# Altium PCB MAIN_BOARD_V2.PcbDoc (part 2 of 4)
Units mm, origin at the board's own origin, x right, y up, seen from the top; angles counter-clockwise.
Board outline 125 x 110 mm, 4 copper layers (Top Layer, Mid Layer 1, Mid Layer 2, Bottom Layer), stack 1.586 mm thick; 405 components, 359 nets, 1766 pads, 153 vias.
Unrouted connection lines stored in the file: 817.
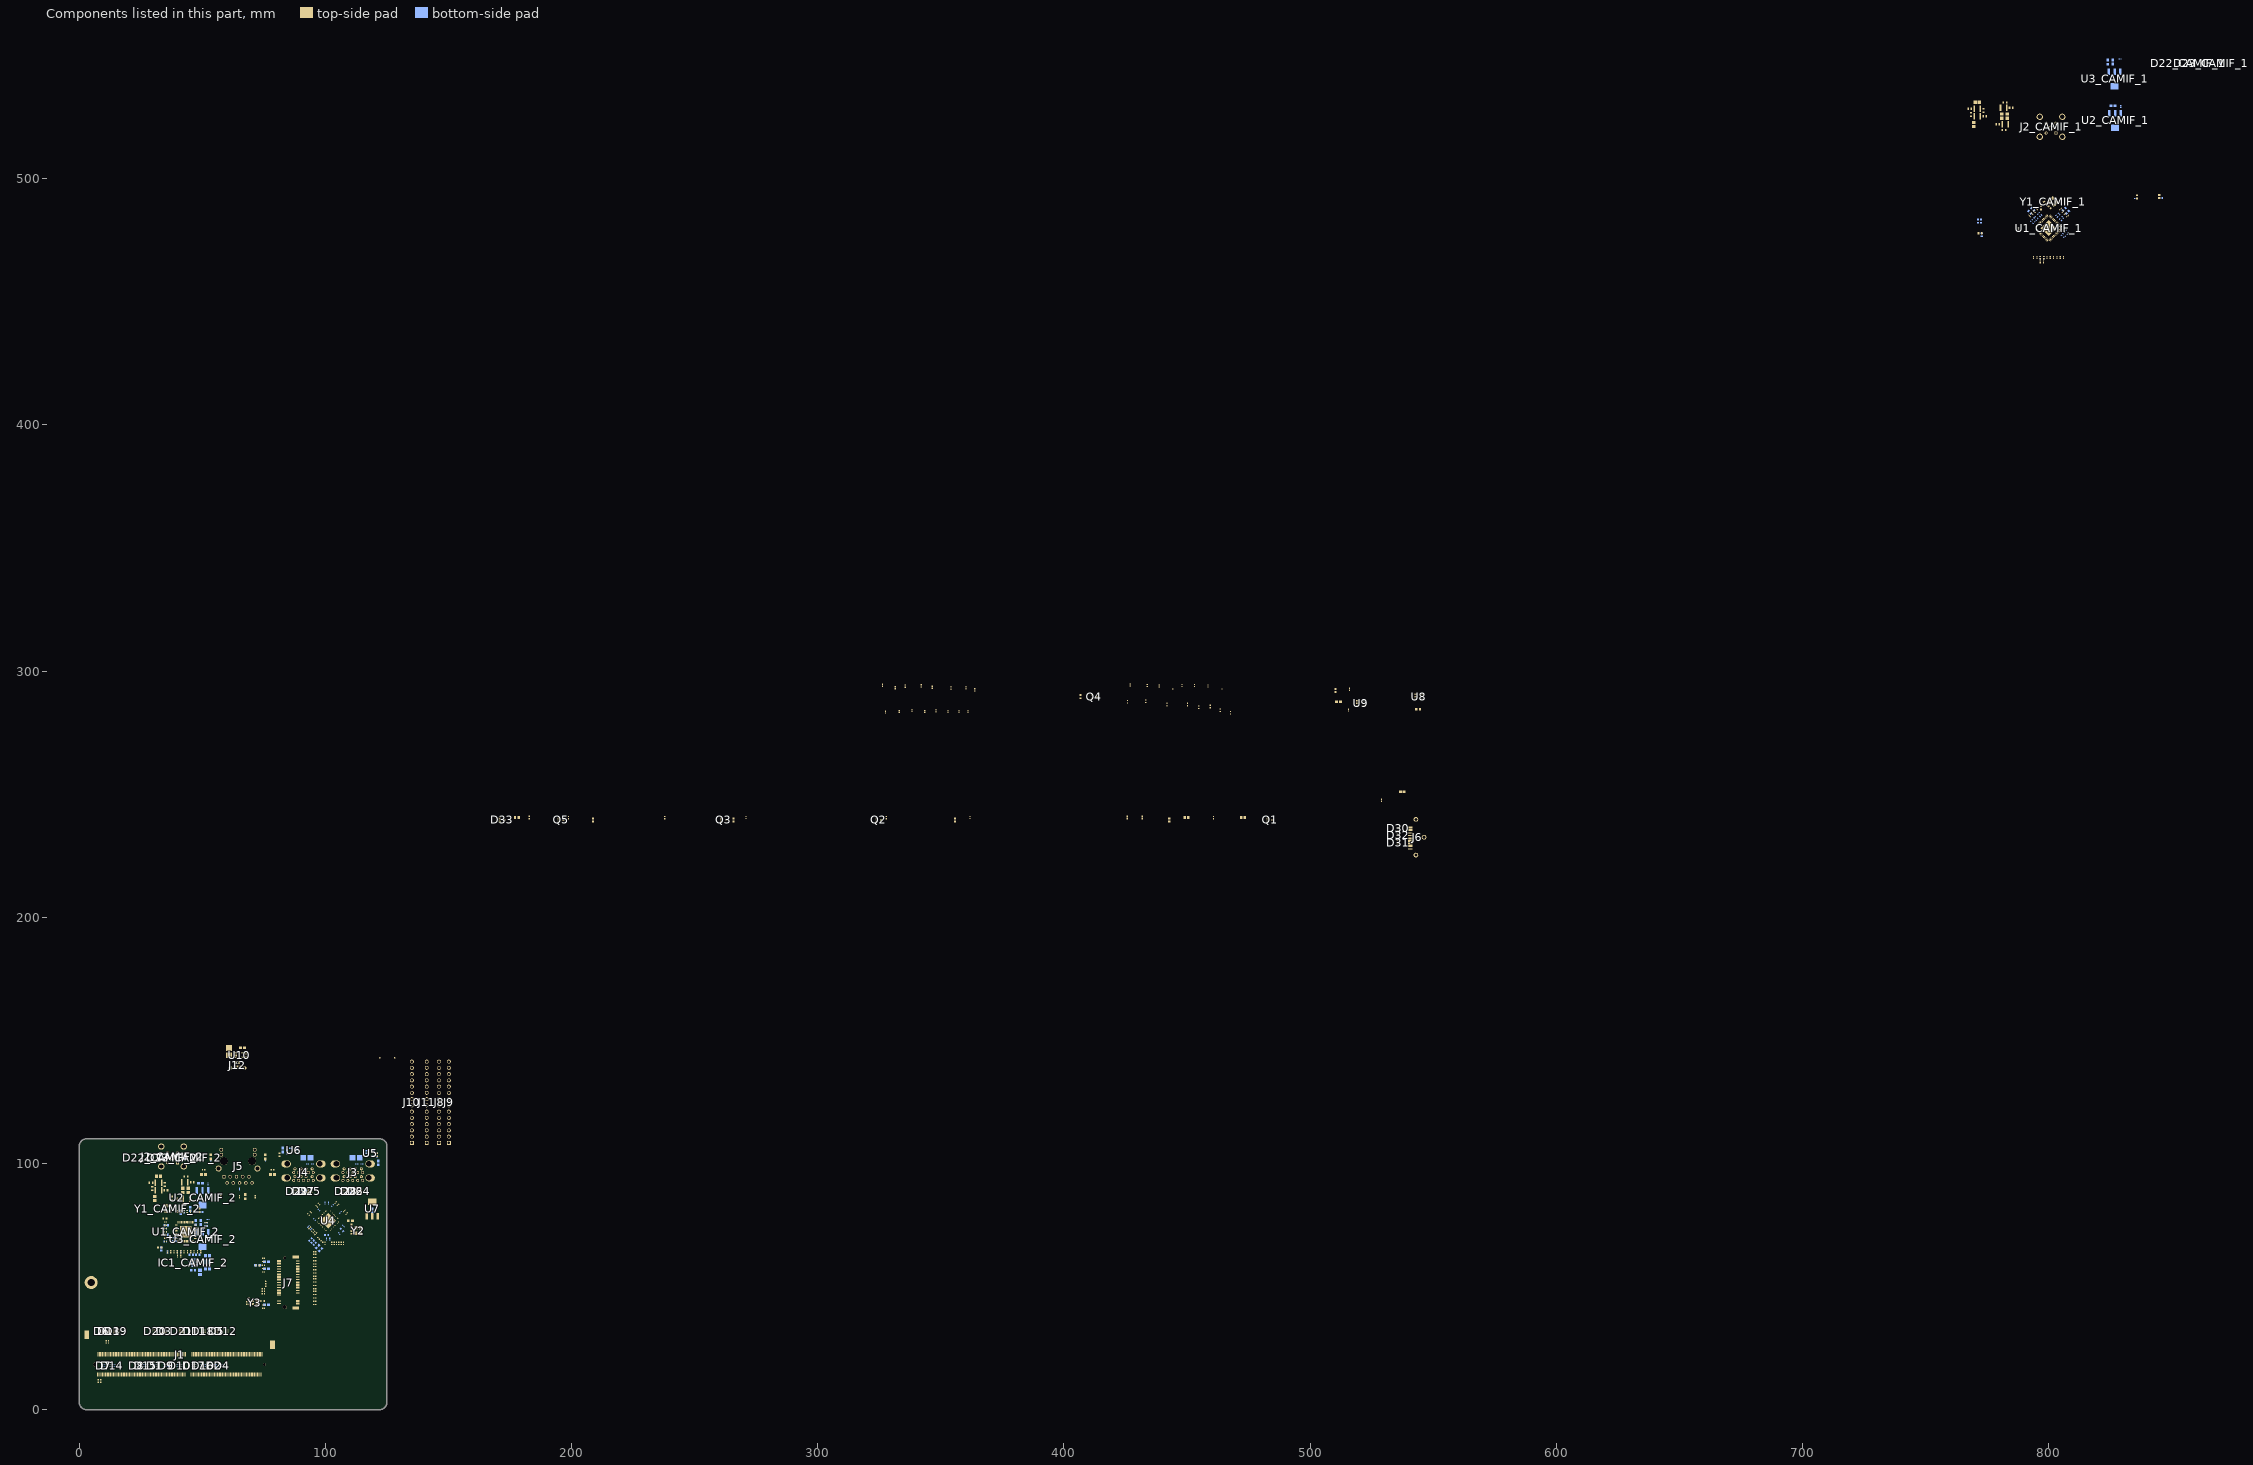
[diagram p4: the components of this part, seen from the top]

## Components (designator, comment, footprint, x,y, rotation, side; value= is the part's Value field where it differs from the comment) (continued)
U9 "AP2171WG-7" SOT95P285X130-5N 520.595,286.925 r0 top
U10 "AP2171WG-7" SOT95P285X130-5N 65.025,144.048 r0 top
Y1_CAMIF_1 "ABM8G-25.000MHZ-18-D2Y-T" FP-ABM8G-MFG 801.875,490.7 r135 top (schematic designator Y1)
Y1_CAMIF_2 "ABM8G-25.000MHZ-18-D2Y-T" FP-ABM8G-MFG 36.05,81.675 r90 top (schematic designator Y1)
Y2 "ABM8G-25.000MHZ-18-D2Y-T" FP-ABM8G-MFG 113.325,72.75 r270 top
Y3 "ASDK-32.768KHZ-LRT" FP-ASDK-MFG 71.337,43.512 r0 top

## Footprints (in the part's own frame and the unit in brackets; to place one, negate y for a bottom-side part, rotate by r counter-clockwise, add the part's x,y. Pads: shape width x height; smd on the part's side, far side on the other; paste and mask are expansions set on the pad)
9774025243 [mm] "SMT Steel Spacer with internal Thread M2, height 2.5mm"
  round 5.3 / inner round 0 / far side round 0 hole 3 unplated: 1(0,0)
  body extent -2.17,-2.17 2.18,2.17, height 2.5
692141030100 [mm] "USB 3.0 Type A Stacked"
  round 1.2 hole 0.7: A1(-3.5,3.93) A2(-1,3.93) A3(1,3.93) A4(3.5,3.93) A5(4,5.43) A6(2,5.43) A7(0,5.43) A8(-2,5.43) A9(-4,5.43) B1(-3.5,7.13) B2(-1,7.13) B3(1,7.13) B4(3.5,7.13) B5(4,8.63) B6(2,8.63) B7(0,8.63) B8(-2,8.63) B9(-4,8.63)
  oval 3.85x2.9 hole 2.3 copper offset -0.475,0: Shell(-6.57,7.61) Shell(-6.57,1.93)
  oval 3.85x2.9 hole 2.3 copper offset 0.475,0: Shell(6.57,7.61) Shell(6.57,1.93)
  silkscreen extent -7.15,-9.85 7.15,9.85, body extent -7.79,-9.85 7.79,9.85, height 16.16
CAPC1005X60X30NL05T10 [mm] "Chip Capacitor, 2-Leads, Body 1.00x0.50mm, IPC Medium Density"
  rect 0.66x0.62 smd: 1(-0.43,0) 2(0.43,0)
  body extent -0.53,-0.28 0.53,0.27, height 0.6
DIOD-SOT323-3_V [mm] "SOT323, 3-Leads, Body 2.2x1.35mm, Pitch 0.65mm"
  rect 0.9x0.7 smd: 1(-0.95,0.65) 2(-0.95,-0.65) 3(0.95,0)
  silkscreen extent -1.07,-1.1 0.67,1.67, body extent -1.1,-1.1 1.1,1.1, height 1.07
FM4-NZRP-PCB-1-Footprint-1 [mm]
  rect 1.2x1.2 hole 0.7: 1(-2,-2)
  round 1.2 hole 0.7: 2(2,-2) 3(2,2) 4(-2,2)
  round 2.1 hole 1.4: MH1(0,0)
  round 2.55 hole 1.7: MH2(-3.5,-4.575) MH3(4.6,-4.575) MH4(4.6,4.575) MH5(-3.5,4.575)
  silkscreen extent -5.9,-6.5 17.25,6.5, body extent -4.76,-5.84 17.8,6.14, height 15.63
FP-1-2199230-6-MFG [mm]
  rect 0.3x1.55 smd paste+0 mask+0: 1(-9.25,3.9) 2(-9,-3.65) 3(-8.75,3.9) 4(-8.5,-3.65) 5(-8.25,3.9) 6(-8,-3.65) 7(-7.75,3.9) 8(-7.5,-3.65) 9(-7.25,3.9) 10(-7,-3.65) 11(-6.75,3.9) 12(-6.5,-3.65) 13(-6.25,3.9) 14(-6,-3.65) 15(-5.75,3.9) 16(-5.5,-3.65) 17(-5.25,3.9) 18(-5,-3.65) 19(-4.75,3.9) 20(-4.5,-3.65) 21(-4.25,3.9) 22(-4,-3.65) 23(-3.75,3.9) 24(-3.5,-3.65) 25(-3.25,3.9) 26(-3,-3.65) 27(-2.75,3.9) 28(-2.5,-3.65) 29(-2.25,3.9) 30(-2,-3.65) 31(-1.75,3.9) 32(-1.5,-3.65) 33(-1.25,3.9) 34(-1,-3.65) 35(-0.75,3.9) 36(-0.5,-3.65) 37(-0.25,3.9) 38(0,-3.65) 39(0.25,3.9) 40(0.5,-3.65) 41(0.75,3.9) 42(1,-3.65) 43(1.25,3.9) 44(1.5,-3.65) 45(1.75,3.9) 46(2,-3.65) 47(2.25,3.9) 48(2.5,-3.65) 49(2.75,3.9) 50(3,-3.65) 51(3.25,3.9) 52(3.5,-3.65) 53(3.75,3.9) 54(4,-3.65) 55(4.25,3.9) 56(4.5,-3.65) 57(4.75,3.9) 58(5,-3.65) 67(7.25,3.9) 68(7.5,-3.65) 69(7.75,3.9) 70(8,-3.65) 71(8.25,3.9) 72(8.5,-3.65) 73(8.75,3.9) 74(9,-3.65) 75(9.25,3.9)
  rect 1.2x2.75 smd paste+0 mask+0: 76(-10.35,3.125) 77(10.35,3.125)
  round 1.1 hole 1.1 unplated paste-2539.97 mask+0: ""(-10,-1.375)
  round 1.6 hole 1.6 unplated paste-2539.97 mask+0: ""(10,-1.375)
  silkscreen extent -11,-3.98 11,5.35, body extent -11.1,-4.52 11.1,4.77, height 0.25
FP-22-28-4146-MFG [mm]
  rect 1.57x1.57 hole 1.02 paste-2539.97 mask+0: 1(-16.51,0)
  round 1.57 hole 1.02 paste-2539.97 mask+0: 2(-13.97,0) 3(-11.43,0) 4(-8.89,0) 5(-6.35,0) 6(-3.81,0) 7(-1.27,0) 8(1.27,0) 9(3.81,0) 10(6.35,0) 11(8.89,0) 12(11.43,0) 13(13.97,0) 14(16.51,0)
  silkscreen extent -18.63,-1.37 17.91,1.37, body extent -18.01,-1.47 18.01,1.47, height 0.25
FP-1210POC-MFG [mm]
  rect 0.65x2.65 smd paste+0 mask+0: 1(-1.27,0) 2(1.27,0)
  silkscreen extent -0.57,-1.34 0.57,1.34, body extent -1.75,-1.44 1.75,1.44, height 0.25
FP-47659-1102-MFG [mm]
  rect 0.3x1.8 smd paste+0 mask+0: 1(4.21,3.08) 2(3.71,3.08) 3(3.21,3.08) 4(2.71,3.08) 5(2.21,3.08) 6(1.71,3.08) 7(1.21,3.08) 8(0.71,3.08) 9(0.21,3.08) 10(-0.29,3.08) 11(-0.79,3.08) 12(-1.29,3.08) 13(-1.79,3.08) 14(-2.29,3.08) 15(-2.79,3.08) 16(-3.29,3.08) 17(-3.79,3.08) 18(-4.29,3.08) 19(-4.79,3.08)
  round 1.9 hole 1.3 paste-2539.97 mask+0: 20(-7.25,0.78) 21(7.25,0.78) 22(0,-2.52)
  silkscreen extent -7.63,-2.9 7.63,4.68, body extent -8.3,-3.57 8.3,4.08, height 0.25
FP-2309413-1-MFG [mm]
  rect 0.3x1.75 smd paste+0 mask+0: 1(33.375,12.1) 2(33.125,3.9) 3(32.875,12.1) 4(32.625,3.9) 5(32.375,12.1) 6(32.125,3.9) 7(31.875,12.1) 8(31.625,3.9) 9(31.375,12.1) 10(31.125,3.9) 11(30.875,12.1) 12(30.625,3.9) 13(30.375,12.1) 14(30.125,3.9) 15(29.875,12.1) 16(29.625,3.9) 17(29.375,12.1) 18(29.125,3.9) 19(28.875,12.1) 20(28.625,3.9) 21(28.375,12.1) 22(28.125,3.9) 23(27.875,12.1) 24(27.625,3.9) 25(27.375,12.1) 26(27.125,3.9) 27(26.875,12.1) 28(26.625,3.9) 29(26.375,12.1) 30(26.125,3.9) 31(25.875,12.1) 32(25.625,3.9) 33(25.375,12.1) 34(25.125,3.9) 35(24.875,12.1) 36(24.625,3.9) 37(24.375,12.1) 38(24.125,3.9) 39(23.875,12.1) 40(23.625,3.9) 41(23.375,12.1) 42(23.125,3.9) 43(22.875,12.1) 44(22.625,3.9) 45(22.375,12.1) 46(22.125,3.9) 47(21.875,12.1) 48(21.625,3.9) 49(21.375,12.1) 50(21.125,3.9) 51(20.875,12.1) 52(20.625,3.9) 53(20.375,12.1) 54(20.125,3.9) 55(19.875,12.1) 56(19.625,3.9) 57(19.375,12.1) 58(19.125,3.9) 59(18.875,12.1) 60(18.625,3.9) 61(18.375,12.1) 62(18.125,3.9) 63(17.875,12.1) 64(17.625,3.9) 65(17.375,12.1) 66(17.125,3.9) 67(16.875,12.1) 68(16.625,3.9) 69(16.375,12.1) 70(16.125,3.9) 71(15.875,12.1) 72(15.625,3.9) 73(15.375,12.1) 74(15.125,3.9) 75(14.875,12.1) 76(14.625,3.9) 77(14.375,12.1) 78(14.125,3.9) 79(13.875,12.1) 80(13.625,3.9) 81(13.375,12.1) 82(13.125,3.9) 83(12.875,12.1) 84(12.625,3.9) 85(12.375,12.1) 86(12.125,3.9) 87(11.875,12.1) 88(11.625,3.9) 89(11.375,12.1) 90(11.125,3.9) 91(10.875,12.1) 92(10.625,3.9) 93(10.375,12.1) 94(10.125,3.9) 95(9.875,12.1) 96(9.625,3.9) 97(9.375,12.1) 98(9.125,3.9) 99(8.875,12.1) 100(8.625,3.9) 101(8.375,12.1) 102(8.125,3.9) 103(7.875,12.1) 104(7.625,3.9) 105(7.375,12.1) 106(7.125,3.9) 107(6.875,12.1) 108(6.625,3.9) 109(6.375,12.1) 110(6.125,3.9) 111(5.875,12.1) 112(5.625,3.9) 113(5.375,12.1) 114(5.125,3.9) 115(4.875,12.1) 116(4.625,3.9) 117(4.375,12.1) 118(4.125,3.9) 119(3.875,12.1) 120(3.625,3.9) 121(3.375,12.1) 122(3.125,3.9) 123(2.875,12.1) 124(2.625,3.9) 125(2.375,12.1) 126(2.125,3.9) 127(1.875,12.1) 128(1.625,3.9) 129(1.375,12.1) 130(1.125,3.9) 131(0.875,12.1) 132(0.625,3.9) 133(0.375,12.1) 134(0.125,3.9) 135(-0.125,12.1) 136(-0.375,3.9) 137(-0.625,12.1) 138(-0.875,3.9) 139(-1.125,12.1) 140(-1.375,3.9) 141(-1.625,12.1) 142(-1.875,3.9) 143(-2.125,12.1) 144(-2.375,3.9) 145(-4.625,12.1) 146(-4.875,3.9) 147(-5.125,12.1) 148(-5.375,3.9) 149(-5.625,12.1) 150(-5.875,3.9) 151(-6.125,12.1) 152(-6.375,3.9) 153(-6.625,12.1) 154(-6.875,3.9) 155(-7.125,12.1) 156(-7.375,3.9) 157(-7.625,12.1) 158(-7.875,3.9) 159(-8.125,12.1) 160(-8.375,3.9) 161(-8.625,12.1) 162(-8.875,3.9) 163(-9.125,12.1) 164(-9.375,3.9) 165(-9.625,12.1) 166(-9.875,3.9) 167(-10.125,12.1) 168(-10.375,3.9) 169(-10.625,12.1) 170(-10.875,3.9) 171(-11.125,12.1) 172(-11.375,3.9) 173(-11.625,12.1) 174(-11.875,3.9) 175(-12.125,12.1) 176(-12.375,3.9) 177(-12.625,12.1) 178(-12.875,3.9) 179(-13.125,12.1) 180(-13.375,3.9) 181(-13.625,12.1) 182(-13.875,3.9) 183(-14.125,12.1) 184(-14.375,3.9) 185(-14.625,12.1) 186(-14.875,3.9) 187(-15.125,12.1) 188(-15.375,3.9) 189(-15.625,12.1) 190(-15.875,3.9) 191(-16.125,12.1) 192(-16.375,3.9) 193(-16.625,12.1) 194(-16.875,3.9) 195(-17.125,12.1) 196(-17.375,3.9) 197(-17.625,12.1) 198(-17.875,3.9) 199(-18.125,12.1) 200(-18.375,3.9) 201(-18.625,12.1) 202(-18.875,3.9) 203(-19.125,12.1) 204(-19.375,3.9) 205(-19.625,12.1) 206(-19.875,3.9) 207(-20.125,12.1) 208(-20.375,3.9) 209(-20.625,12.1) 210(-20.875,3.9) 211(-21.125,12.1) 212(-21.375,3.9) 213(-21.625,12.1) 214(-21.875,3.9) 215(-22.125,12.1) 216(-22.375,3.9) 217(-22.625,12.1) 218(-22.875,3.9) 219(-23.125,12.1) 220(-23.375,3.9) 221(-23.625,12.1) 222(-23.875,3.9) 223(-24.125,12.1) 224(-24.375,3.9) 225(-24.625,12.1) 226(-24.875,3.9) 227(-25.125,12.1) 228(-25.375,3.9) 229(-25.625,12.1) 230(-25.875,3.9) 231(-26.125,12.1) 232(-26.375,3.9) 233(-26.625,12.1) 234(-26.875,3.9) 235(-27.125,12.1) 236(-27.375,3.9) 237(-27.625,12.1) 238(-27.875,3.9) 239(-28.125,12.1) 240(-28.375,3.9) 241(-28.625,12.1) 242(-28.875,3.9) 243(-29.125,12.1) 244(-29.375,3.9) 245(-29.625,12.1) 246(-29.875,3.9) 247(-30.125,12.1) 248(-30.375,3.9) 249(-30.625,12.1) 250(-30.875,3.9) 251(-31.125,12.1) 252(-31.375,3.9) 253(-31.625,12.1) 254(-31.875,3.9) 255(-32.125,12.1) 256(-32.375,3.9) 257(-32.625,12.1) 258(-32.875,3.9) 259(-33.125,12.1) 260(-33.375,3.9)
  rect 2x3.5 smd paste+0 mask+0: 261(-37.75,0) 262(37.75,-4)
  round 1.1 hole 1.1 unplated paste-2539.97 mask+0: ""(-34.4,8)
  round 1.6 hole 1.6 unplated paste-2539.97 mask+0: ""(34.4,8)
  silkscreen extent -38.18,-13.1 40.12,13.1, body extent -39.1,-13.2 39.1,13.2, height 0.25
FP-ABM8G-MFG [mm]
  rect 1.4x1.2 smd paste+0 mask+0: 1(-1.1,-0.85) 2(1.1,-0.85) 3(1.1,0.85) 4(-1.1,0.85)
  silkscreen extent -2.47,-1.82 1.6,1.82, body extent -1.9,-1.55 1.9,1.55, height 0.25
FP-ARJM11C7-502-AB-ER2-T-MFG [mm]
  rect 1.39x1.39 hole 0.89 paste-2539.97 mask+0: 1(5.715,6.5)
  round 1.39 hole 0.89 paste-2539.97 mask+0: 2(4.445,9.04) 3(3.175,6.5) 4(1.905,9.04) 5(0.635,6.5) 6(-0.635,9.04) 7(-1.905,6.5) 8(-3.175,9.04) 9(-4.445,6.5) 10(-5.715,9.04)
  round 2.42 hole 1.57 paste-2539.97 mask+0: 11(-7.875,3.2) 12(7.875,3.2)
  round 1.57 hole 1.02 paste-2539.97 mask+0: L1(-6.8,-2.4) L2(-6.8,-4.43) L3(6.8,-2.4) L4(6.8,-4.43)
  round 3.25 hole 3.25 unplated paste-2539.97 mask+0: ""(-5.715,0.15) ""(5.715,0.15)
  silkscreen extent -9.82,-10.78 11.15,10.78, body extent -9.92,-10.87 9.92,10.87, height 0.25
FP-ASDK-MFG [mm]
  rect 1x0.9 smd paste+0 mask+0: 1(-0.813,-0.613) 2(0.813,-0.613) 3(0.813,0.613) 4(-0.813,0.613)
  silkscreen extent -1.7,-1.76 1.7,1.05, body extent -1.41,-1.16 1.41,1.16, height 0.25
FP-BLM15-0_05-MFG [mm]
  rect 0.4x0.5 smd paste+0 mask+0: 1(-0.4,0) 2(0.4,0)
  silkscreen extent -0.53,-0.63 0.52,0.63, body extent -0.7,-0.38 0.7,0.38, height 0.25
FP-C0402-BB-MFG [mm]
  rect 0.52x0.52 smd paste+0 mask+0: 1(-0.4,0) 2(0.4,0)
  silkscreen extent -0.5,-0.64 0.5,0.64, body extent -0.5,-0.25 0.5,0.25, height 0.55
FP-C0603C-CF-MFG [mm]
  rect 0.75x0.9 smd paste+0 mask+0: 1(-0.6,0) 2(0.6,0)
  silkscreen extent -0.87,-0.85 0.88,0.85, body extent -0.8,-0.4 0.8,0.4, height 0.87
FP-C1005-050-0_05-IPC_C [mm]
  rect 0.539x0.472 smd paste+0 mask+0: 1(-0.367,0) 2(0.367,0)
  silkscreen extent -0.64,-0.67 0.64,0.67, body extent -0.74,-0.38 0.74,0.38, height 0.25
FP-CL05A106MP5NUNC-MFG [mm]
  rect 0.45x0.675 smd paste+0 mask+0: 1(-0.463,0) 2(0.463,0)
  silkscreen extent -0.6,-0.63 0.6,0.63, body extent -0.5,-0.25 0.5,0.25, height 0.7
FP-DFE252012C-IPC_C [mm]
  rect 1.155x2.106 smd paste+0 mask+0: 1(-0.926,0) 2(0.926,0)
  silkscreen extent -1.5,-1.5 1.5,1.5, body extent -1.25,-1 1.25,1, height 1.2
FP-DQA0010A-MFG [mm]
  rrect50% 0.565x0.2 smd paste+0 mask+0: 1(-0.417,1) 2(-0.417,0.5) 4(-0.417,-0.5) 5(-0.417,-1) 6(0.417,-1) 7(0.417,-0.5) 9(0.417,0.5) 10(0.417,1)
  rrect25% 0.565x0.4 smd paste-1000 mask+0: 3(-0.417,0) 8(0.417,0)
  silkscreen extent -1.37,-1.48 0.55,1.48, body extent -0.5,-1.25 0.5,1.25, height 0.55
FP-ERJ2RK-MFG [mm]
  rect 0.475x0.5 smd paste+0 mask+0: 1(-0.513,0) 2(0.513,0)
  silkscreen extent -0.53,-0.63 0.53,0.63, body extent -0.85,-0.38 0.85,0.38, height 0.25
FP-ERJ3EK-IPC_B [mm]
  rect 0.957x0.962 smd paste+0 mask+0: 1(-0.751,0) 2(0.751,0)
  silkscreen extent -1.23,-0.88 1.23,0.88, body extent -0.8,-0.4 0.8,0.4, height 0.55
FP-ERJ3EK-MFG [mm]
  rect 0.65x0.9 smd paste+0 mask+0: 1(-0.725,0) 2(0.725,0)
  silkscreen extent 0,-0.48 0,0.48, body extent -1.15,-0.58 1.15,0.58, height 0.25
FP-GRM21B-0_2-e0_2_0_7-IPC_B [mm]
  rect 1.255x1.456 smd paste+0 mask+0: 1(-0.826,0) 2(0.826,0)
  silkscreen extent -1.45,-1.13 1.45,1.13, body extent -1,-0.63 1,0.63, height 1.45
FP-GRM155-0_05-MFG [mm]
  rect 0.55x0.5 smd paste+0 mask+0: 1(-0.475,0) 2(0.475,0)
  silkscreen extent -0.5,-0.65 0.5,0.65, body extent -0.85,-0.38 0.85,0.38, height 0.25
FP-GRM188-0_1-e0_2_0_55-IPC_A [mm]
  rect 1.208x1.012 smd paste+0 mask+0: 1(-0.802,0) 2(0.802,0)
  silkscreen extent -1.41,-0.91 1.41,0.91, body extent -0.8,-0.4 0.8,0.4, height 0.9
FP-PFL1609-MFG [mm]
  rect 0.64x1.02 smd paste+0 mask+0: 1(-0.635,0) 2(0.635,0)
  silkscreen extent -0.9,-0.89 0.9,0.89, body extent -1.05,-0.64 1.05,0.64, height 0.25
FP-USB5744-2G-MFG [mm]
  round 0.202 smd paste+0 mask+0: 1(-3.412,2.6) 2(-3.412,2.2) 3(-3.412,1.8) 4(-3.412,1.4) 5(-3.412,1) 6(-3.412,0.6) 7(-3.412,0.2) 8(-3.4,-0.2) 9(-3.4,-0.6) 10(-3.4,-1) 11(-3.4,-1.4) 12(-3.4,-1.8) 13(-3.4,-2.2) 14(-3.4,-2.6) 15(-2.6,-3.412) 16(-2.2,-3.412) 17(-1.8,-3.412) 18(-1.4,-3.412) 19(-1,-3.412) 20(-0.6,-3.412) 21(-0.2,-3.412) 22(0.2,-3.4) 23(0.6,-3.4) 24(1,-3.4) 25(1.4,-3.4) 26(1.8,-3.4) 27(2.2,-3.4) 28(2.6,-3.4) 29(3.412,-2.6) 30(3.412,-2.2) 31(3.412,-1.8) 32(3.412,-1.4) 33(3.412,-1) 34(3.412,-0.6) 35(3.412,-0.2) 36(3.4,0.2) 37(3.4,0.6) 38(3.4,1) 39(3.4,1.4) 40(3.4,1.8) 41(3.4,2.2) 42(3.4,2.6) 43(2.6,3.412) 44(2.2,3.412) 45(1.8,3.412) 46(1.4,3.412) 47(1,3.412) 48(0.6,3.412) 49(0.2,3.412) 50(-0.2,3.4) 51(-0.6,3.4) 52(-1,3.4) 53(-1.4,3.4) 54(-1.8,3.4) 55(-2.2,3.4) 56(-2.6,3.4)
  rect 4.6x4.6 smd paste+0 mask+0: 57(0,0)
  Top Layer region: -3.775,2.712 -3.137,2.712 -3.094,2.704 -3.058,2.68 -3.034,2.643 -3.025,2.6 -3.025,2.6 -3.034,2.557 -3.058,2.52 -3.094,2.496 -3.138,2.488 -3.137,2.488 -3.775,2.488
  Top Layer region: -3.775,2.313 -3.137,2.313 -3.094,2.304 -3.058,2.28 -3.034,2.243 -3.025,2.2 -3.025,2.2 -3.034,2.157 -3.058,2.12 -3.094,2.096 -3.138,2.088 -3.137,2.087 -3.775,2.087
  Top Layer region: -3.775,1.913 -3.138,1.913 -3.094,1.904 -3.058,1.88 -3.034,1.843 -3.025,1.8 -3.025,1.8 -3.034,1.757 -3.058,1.72 -3.094,1.696 -3.138,1.687 -3.137,1.687 -3.775,1.687
  Top Layer region: -3.775,1.512 -3.137,1.512 -3.094,1.504 -3.058,1.48 -3.034,1.443 -3.025,1.4 -3.025,1.4 -3.034,1.357 -3.058,1.32 -3.094,1.296 -3.138,1.288 -3.137,1.288 -3.775,1.288
  Top Layer region: -3.775,1.112 -3.138,1.112 -3.094,1.104 -3.058,1.08 -3.034,1.043 -3.025,1 -3.025,1 -3.034,0.957 -3.058,0.92 -3.094,0.896 -3.137,0.888 -3.137,0.887 -3.775,0.887
  Top Layer region: -3.775,0.713 -3.138,0.713 -3.094,0.704 -3.058,0.68 -3.034,0.643 -3.025,0.6 -3.025,0.6 -3.034,0.557 -3.058,0.52 -3.094,0.496 -3.138,0.488 -3.137,0.488 -3.775,0.488
  Top Layer region: -3.775,0.312 -3.138,0.312 -3.094,0.304 -3.058,0.28 -3.034,0.243 -3.025,0.2 -3.025,0.2 -3.034,0.157 -3.058,0.12 -3.094,0.096 -3.137,0.088 -3.138,0.088 -3.775,0.088
  Top Layer region: -3.775,-0.088 -3.138,-0.088 -3.094,-0.096 -3.058,-0.12 -3.034,-0.157 -3.025,-0.2 -3.025,-0.2 -3.04,-0.256 -3.081,-0.297 -3.137,-0.312 -3.138,-0.312 -3.775,-0.312
  Top Layer region: -3.775,-0.488 -3.137,-0.488 -3.094,-0.496 -3.058,-0.52 -3.034,-0.557 -3.025,-0.6 -3.025,-0.6 -3.04,-0.656 -3.081,-0.697 -3.138,-0.712 -3.138,-0.713 -3.775,-0.713
  Top Layer region: -3.775,-0.887 -3.137,-0.887 -3.094,-0.896 -3.058,-0.92 -3.034,-0.957 -3.025,-1 -3.025,-1 -3.034,-1.043 -3.058,-1.08 -3.094,-1.104 -3.137,-1.112 -3.138,-1.112 -3.775,-1.112
  Top Layer region: -3.775,-1.288 -3.137,-1.288 -3.094,-1.296 -3.058,-1.32 -3.034,-1.357 -3.025,-1.4 -3.025,-1.4 -3.04,-1.456 -3.081,-1.497 -3.138,-1.512 -3.137,-1.512 -3.775,-1.512
  Top Layer region: -3.775,-1.687 -3.137,-1.687 -3.094,-1.696 -3.058,-1.72 -3.034,-1.757 -3.025,-1.8 -3.025,-1.8 -3.034,-1.843 -3.058,-1.88 -3.094,-1.904 -3.138,-1.912 -3.138,-1.913 -3.775,-1.913
  Top Layer region: -3.775,-2.087 -3.137,-2.087 -3.094,-2.096 -3.058,-2.12 -3.034,-2.157 -3.025,-2.2 -3.025,-2.2 -3.034,-2.243 -3.058,-2.28 -3.094,-2.304 -3.138,-2.313 -3.137,-2.313 -3.775,-2.313
  Top Layer region: -3.775,-2.488 -3.137,-2.488 -3.094,-2.496 -3.058,-2.52 -3.034,-2.557 -3.025,-2.6 -3.025,-2.6 -3.04,-2.656 -3.081,-2.697 -3.138,-2.712 -3.137,-2.712 -3.775,-2.712
  Top Layer region: 3.775,-2.712 3.137,-2.712 3.094,-2.704 3.058,-2.68 3.034,-2.643 3.025,-2.6 3.025,-2.6 3.034,-2.557 3.058,-2.52 3.094,-2.496 3.138,-2.488 3.137,-2.488 3.775,-2.488
  Top Layer region: 3.775,-2.313 3.137,-2.313 3.094,-2.304 3.058,-2.28 3.034,-2.243 3.025,-2.2 3.025,-2.2 3.034,-2.157 3.058,-2.12 3.094,-2.096 3.138,-2.088 3.137,-2.087 3.775,-2.087
  Top Layer region: 3.775,-1.913 3.138,-1.913 3.094,-1.904 3.058,-1.88 3.034,-1.843 3.025,-1.8 3.025,-1.8 3.034,-1.757 3.058,-1.72 3.094,-1.696 3.138,-1.687 3.137,-1.687 3.775,-1.687
  Top Layer region: 3.775,-1.512 3.137,-1.512 3.094,-1.504 3.058,-1.48 3.034,-1.443 3.025,-1.4 3.025,-1.4 3.034,-1.357 3.058,-1.32 3.094,-1.296 3.138,-1.288 3.137,-1.288 3.775,-1.288
  Top Layer region: 3.775,-1.112 3.138,-1.112 3.094,-1.104 3.058,-1.08 3.034,-1.043 3.025,-1 3.025,-1 3.034,-0.957 3.058,-0.92 3.094,-0.896 3.137,-0.888 3.137,-0.887 3.775,-0.887
  Top Layer region: 3.775,-0.713 3.138,-0.713 3.094,-0.704 3.058,-0.68 3.034,-0.643 3.025,-0.6 3.025,-0.6 3.034,-0.557 3.058,-0.52 3.094,-0.496 3.138,-0.488 3.137,-0.488 3.775,-0.488
  Top Layer region: 3.775,-0.312 3.138,-0.312 3.094,-0.304 3.058,-0.28 3.034,-0.243 3.025,-0.2 3.025,-0.2 3.034,-0.157 3.058,-0.12 3.094,-0.096 3.137,-0.088 3.138,-0.088 3.775,-0.088
  Top Layer region: 3.775,0.088 3.138,0.088 3.094,0.096 3.058,0.12 3.034,0.157 3.025,0.2 3.025,0.2 3.034,0.243 3.058,0.28 3.094,0.304 3.137,0.312 3.138,0.312 3.775,0.312
  Top Layer region: 3.775,0.488 3.137,0.488 3.094,0.496 3.058,0.52 3.034,0.557 3.025,0.6 3.025,0.6 3.034,0.643 3.058,0.68 3.094,0.704 3.138,0.712 3.138,0.713 3.775,0.713
  Top Layer region: 3.775,0.887 3.137,0.887 3.094,0.896 3.058,0.92 3.034,0.957 3.025,1 3.025,1 3.034,1.043 3.058,1.08 3.094,1.104 3.137,1.112 3.138,1.112 3.775,1.112
  Top Layer region: 3.775,1.288 3.137,1.288 3.094,1.296 3.058,1.32 3.034,1.357 3.025,1.4 3.025,1.4 3.034,1.443 3.058,1.48 3.094,1.504 3.138,1.512 3.137,1.512 3.775,1.512
  Top Layer region: 3.775,1.687 3.137,1.687 3.094,1.696 3.058,1.72 3.034,1.757 3.025,1.8 3.025,1.8 3.034,1.843 3.058,1.88 3.094,1.904 3.138,1.912 3.138,1.913 3.775,1.913
  Top Layer region: 3.775,2.087 3.137,2.087 3.094,2.096 3.058,2.12 3.034,2.157 3.025,2.2 3.025,2.2 3.034,2.243 3.058,2.28 3.094,2.304 3.138,2.313 3.137,2.313 3.775,2.313
  Top Layer region: 3.775,2.488 3.137,2.488 3.094,2.496 3.058,2.52 3.034,2.557 3.025,2.6 3.025,2.6 3.034,2.643 3.058,2.68 3.094,2.704 3.138,2.712 3.137,2.712 3.775,2.712
  Top Layer region: -2.712,-3.775 -2.712,-3.137 -2.704,-3.094 -2.68,-3.058 -2.643,-3.034 -2.6,-3.025 -2.6,-3.025 -2.557,-3.034 -2.52,-3.058 -2.496,-3.094 -2.488,-3.138 -2.488,-3.137 -2.488,-3.775
  Top Layer region: -2.313,-3.775 -2.313,-3.137 -2.304,-3.094 -2.28,-3.058 -2.243,-3.034 -2.2,-3.025 -2.2,-3.025 -2.157,-3.034 -2.12,-3.058 -2.096,-3.094 -2.088,-3.138 -2.087,-3.137 -2.087,-3.775
  Top Layer region: -1.913,-3.775 -1.913,-3.138 -1.904,-3.094 -1.88,-3.058 -1.843,-3.034 -1.8,-3.025 -1.8,-3.025 -1.757,-3.034 -1.72,-3.058 -1.696,-3.094 -1.687,-3.138 -1.687,-3.137 -1.687,-3.775
  Top Layer region: -1.512,-3.775 -1.512,-3.137 -1.504,-3.094 -1.48,-3.058 -1.443,-3.034 -1.4,-3.025 -1.4,-3.025 -1.357,-3.034 -1.32,-3.058 -1.296,-3.094 -1.288,-3.138 -1.288,-3.137 -1.288,-3.775
  Top Layer region: -1.112,-3.775 -1.112,-3.138 -1.104,-3.094 -1.08,-3.058 -1.043,-3.034 -1,-3.025 -1,-3.025 -0.957,-3.034 -0.92,-3.058 -0.896,-3.094 -0.888,-3.137 -0.887,-3.137 -0.887,-3.775
  Top Layer region: -0.713,-3.775 -0.713,-3.138 -0.704,-3.094 -0.68,-3.058 -0.643,-3.034 -0.6,-3.025 -0.6,-3.025 -0.557,-3.034 -0.52,-3.058 -0.496,-3.094 -0.488,-3.138 -0.488,-3.137 -0.488,-3.775
  Top Layer region: -0.312,-3.775 -0.312,-3.138 -0.304,-3.094 -0.28,-3.058 -0.243,-3.034 -0.2,-3.025 -0.2,-3.025 -0.157,-3.034 -0.12,-3.058 -0.096,-3.094 -0.088,-3.137 -0.088,-3.138 -0.088,-3.775
  Top Layer region: 0.088,-3.775 0.088,-3.138 0.096,-3.094 0.12,-3.058 0.157,-3.034 0.2,-3.025 0.2,-3.025 0.243,-3.034 0.28,-3.058 0.304,-3.094 0.312,-3.137 0.312,-3.138 0.312,-3.775
  Top Layer region: 0.488,-3.775 0.488,-3.137 0.496,-3.094 0.52,-3.058 0.557,-3.034 0.6,-3.025 0.6,-3.025 0.643,-3.034 0.68,-3.058 0.704,-3.094 0.712,-3.138 0.713,-3.138 0.713,-3.775
  Top Layer region: 0.887,-3.775 0.887,-3.137 0.896,-3.094 0.92,-3.058 0.957,-3.034 1,-3.025 1,-3.025 1.043,-3.034 1.08,-3.058 1.104,-3.094 1.112,-3.137 1.112,-3.138 1.112,-3.775
  Top Layer region: 1.288,-3.775 1.288,-3.137 1.296,-3.094 1.32,-3.058 1.357,-3.034 1.4,-3.025 1.4,-3.025 1.443,-3.034 1.48,-3.058 1.504,-3.094 1.512,-3.138 1.512,-3.137 1.512,-3.775
  Top Layer region: 1.687,-3.775 1.687,-3.137 1.696,-3.094 1.72,-3.058 1.757,-3.034 1.8,-3.025 1.8,-3.025 1.843,-3.034 1.88,-3.058 1.904,-3.094 1.912,-3.138 1.913,-3.138 1.913,-3.775
  Top Layer region: 2.087,-3.775 2.087,-3.137 2.096,-3.094 2.12,-3.058 2.157,-3.034 2.2,-3.025 2.2,-3.025 2.243,-3.034 2.28,-3.058 2.304,-3.094 2.313,-3.138 2.313,-3.137 2.313,-3.775
  Top Layer region: 2.488,-3.775 2.488,-3.137 2.496,-3.094 2.52,-3.058 2.557,-3.034 2.6,-3.025 2.6,-3.025 2.643,-3.034 2.68,-3.058 2.704,-3.094 2.712,-3.138 2.712,-3.137 2.712,-3.775
  Top Layer region: 2.712,3.775 2.712,3.137 2.704,3.094 2.68,3.058 2.643,3.034 2.6,3.025 2.6,3.025 2.557,3.034 2.52,3.058 2.496,3.094 2.488,3.138 2.488,3.137 2.488,3.775
  Top Layer region: 2.313,3.775 2.313,3.137 2.304,3.094 2.28,3.058 2.243,3.034 2.2,3.025 2.2,3.025 2.157,3.034 2.12,3.058 2.096,3.094 2.088,3.138 2.087,3.137 2.087,3.775
  Top Layer region: 1.913,3.775 1.913,3.138 1.904,3.094 1.88,3.058 1.843,3.034 1.8,3.025 1.8,3.025 1.757,3.034 1.72,3.058 1.696,3.094 1.687,3.138 1.687,3.137 1.687,3.775
  Top Layer region: 1.512,3.775 1.512,3.137 1.504,3.094 1.48,3.058 1.443,3.034 1.4,3.025 1.4,3.025 1.357,3.034 1.32,3.058 1.296,3.094 1.288,3.138 1.288,3.137 1.288,3.775
  Top Layer region: 1.112,3.775 1.112,3.138 1.104,3.094 1.08,3.058 1.043,3.034 1,3.025 1,3.025 0.957,3.034 0.92,3.058 0.896,3.094 0.888,3.137 0.887,3.137 0.887,3.775
  Top Layer region: 0.713,3.775 0.713,3.138 0.704,3.094 0.68,3.058 0.643,3.034 0.6,3.025 0.6,3.025 0.557,3.034 0.52,3.058 0.496,3.094 0.488,3.138 0.488,3.137 0.488,3.775
  Top Layer region: 0.312,3.775 0.312,3.138 0.304,3.094 0.28,3.058 0.243,3.034 0.2,3.025 0.2,3.025 0.157,3.034 0.12,3.058 0.096,3.094 0.088,3.137 0.088,3.138 0.088,3.775
  Top Layer region: -0.088,3.775 -0.088,3.138 -0.096,3.094 -0.12,3.058 -0.157,3.034 -0.2,3.025 -0.2,3.025 -0.243,3.034 -0.28,3.058 -0.304,3.094 -0.312,3.137 -0.312,3.138 -0.312,3.775
  Top Layer region: -0.488,3.775 -0.488,3.137 -0.496,3.094 -0.52,3.058 -0.557,3.034 -0.6,3.025 -0.6,3.025 -0.643,3.034 -0.68,3.058 -0.704,3.094 -0.712,3.138 -0.713,3.138 -0.713,3.775
  Top Layer region: -0.887,3.775 -0.887,3.137 -0.896,3.094 -0.92,3.058 -0.957,3.034 -1,3.025 -1,3.025 -1.043,3.034 -1.08,3.058 -1.104,3.094 -1.112,3.137 -1.112,3.138 -1.112,3.775
  Top Layer region: -1.288,3.775 -1.288,3.137 -1.296,3.094 -1.32,3.058 -1.357,3.034 -1.4,3.025 -1.4,3.025 -1.443,3.034 -1.48,3.058 -1.504,3.094 -1.512,3.138 -1.512,3.137 -1.512,3.775
  Top Layer region: -1.687,3.775 -1.687,3.137 -1.696,3.094 -1.72,3.058 -1.757,3.034 -1.8,3.025 -1.8,3.025 -1.843,3.034 -1.88,3.058 -1.904,3.094 -1.912,3.138 -1.913,3.138 -1.913,3.775